# Altium PCB draft.PcbDoc
Units mm, origin at the board's own origin, x right, y up, seen from the top; angles counter-clockwise.
Board outline 180 x 121.7 mm, 2 copper layers (Top Layer, Bottom Layer); 15 components, 20 nets, 76 pads, 0 vias.
Unrouted connection lines stored in the file: 37.
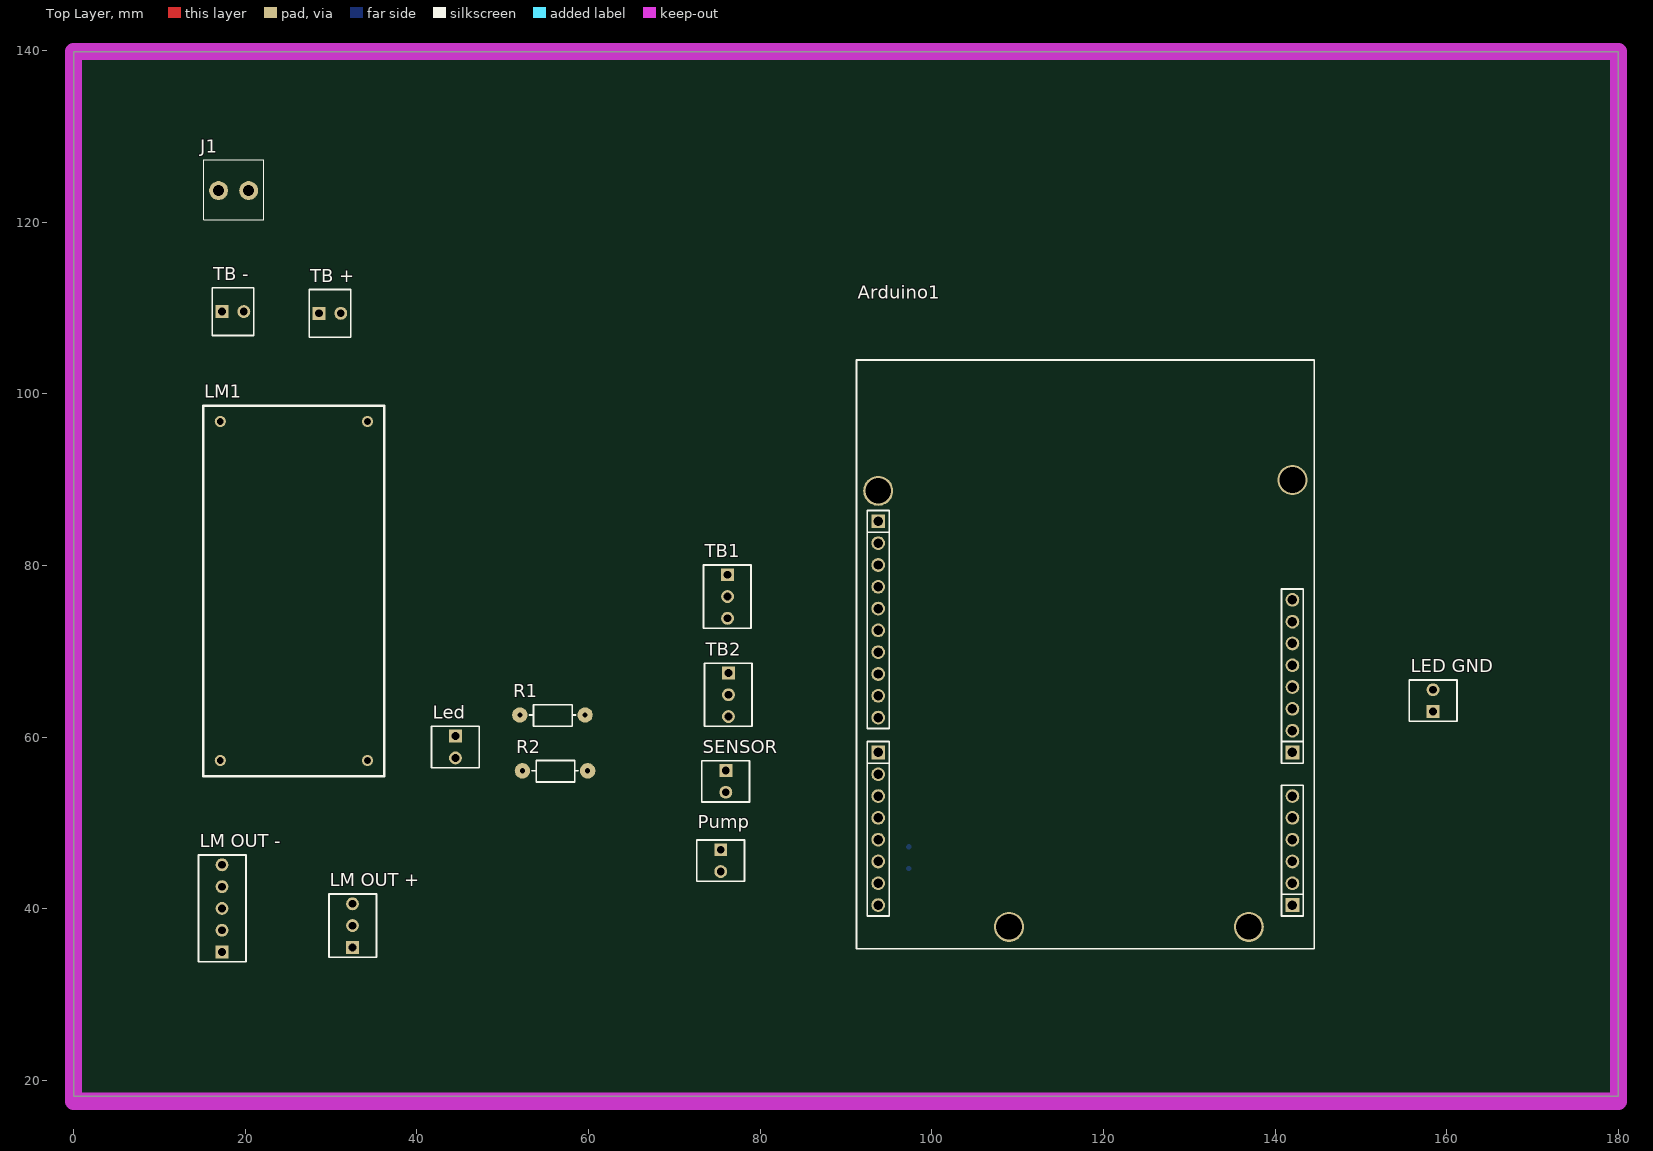
[diagram p0: Top Layer view]
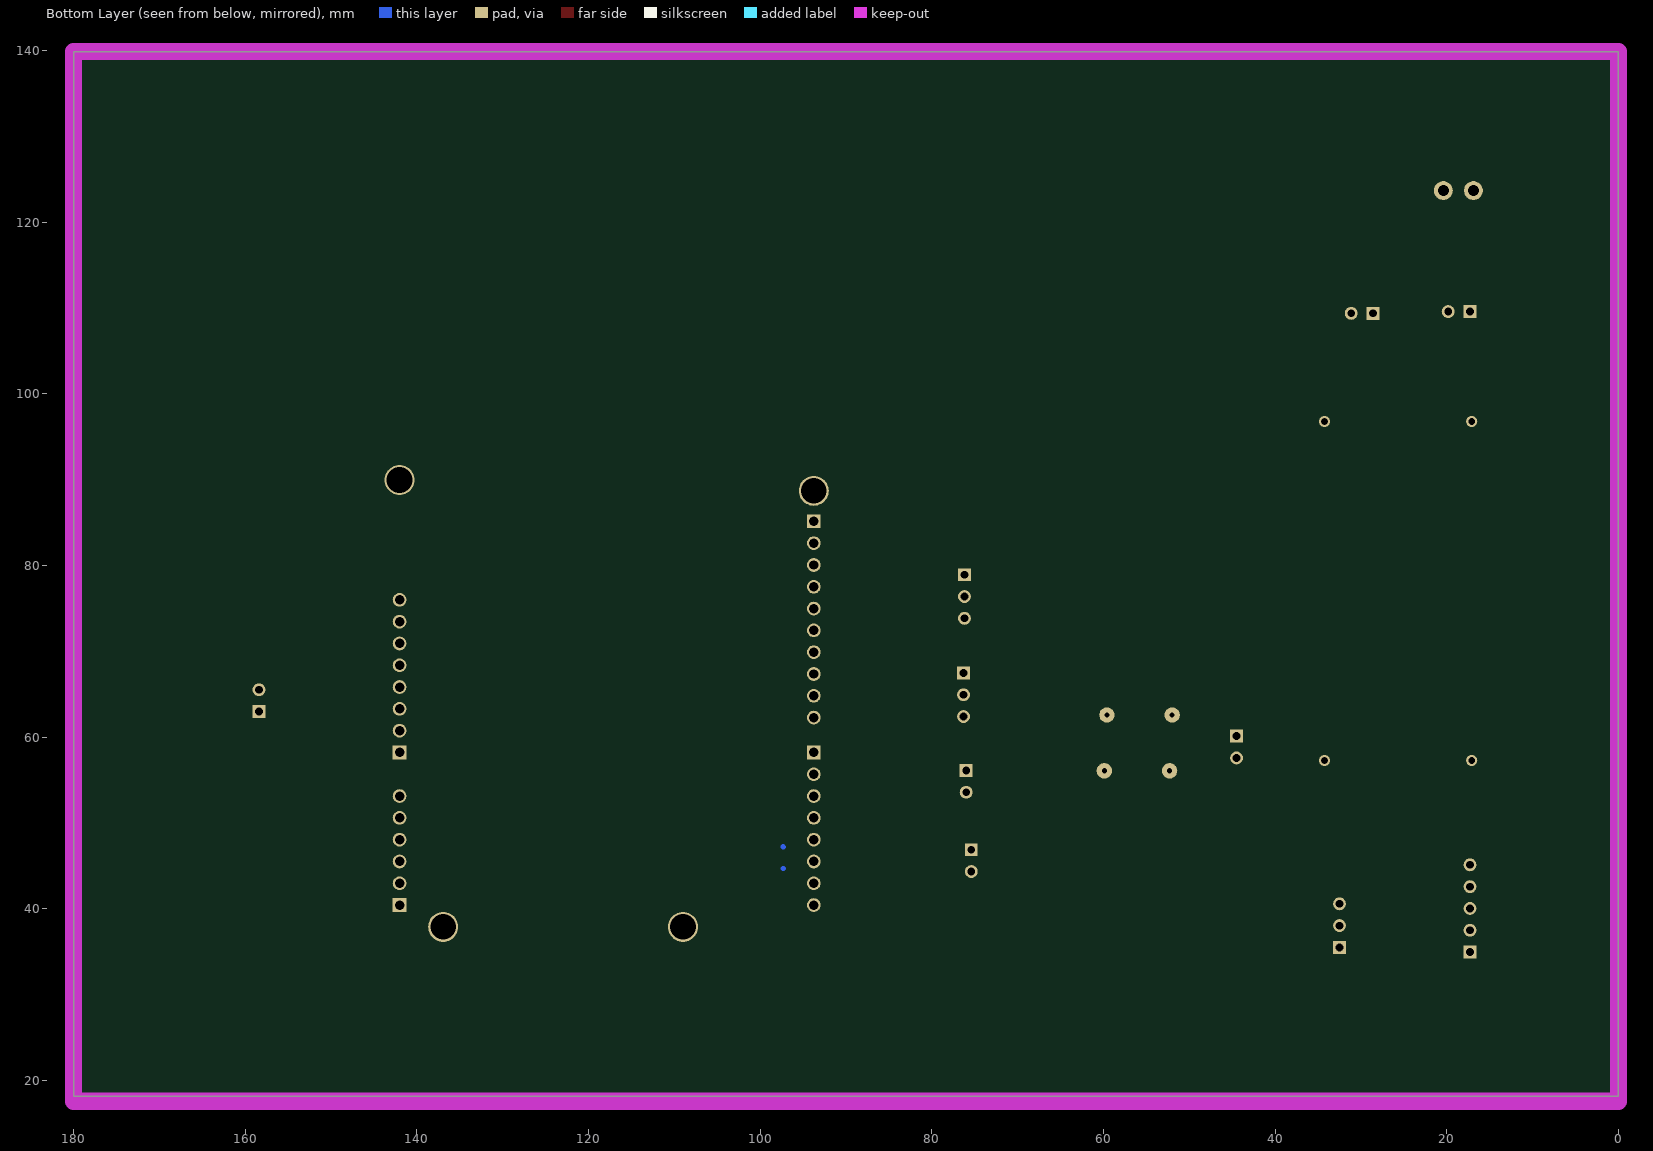
[diagram p1: Bottom Layer view, seen from below]

## Layer stack, top to bottom
Top Solder: solder mask 0.0102, Solder Resist, Dk 3.5
Top Layer: signal copper 0.0356
Dielectric 1: dielectric 0.32, FR-4, Dk 4.8
Bottom Layer: signal copper 0.0356
Bottom Solder: solder mask 0.0102, Solder Resist, Dk 3.5

## Board outline
0,18.2 180,18.2 180,139.9 0,139.9

## Design rules (kind name [scope] priority, off if disabled: settings)
Clearance [All] p1: gap=0.254 ignorepadtopadclearanceinfootprint=FALSE except(0: Arc-Hole Track-Hole SMDPad-Hole THPad-Hole Via-Hole Fill-Hole Poly-Hole Region-Hole Text-Hole)
PolygonConnect [All] p1: connectstyle=Relief reliefconductorwidth=0.254 reliefentries=4 polygonreliefangle="90 Angle" airgapwidth=0.254
RoomDefinition draft [InComponentClass('draft')] p1: confinementstyle=ConfineIn formatcopy=TRUE lockcomponents=FALSE outline 158.8,118 204.2,118 204.2,131 158.8,131
RoutingVias [All] p1: holewidth=0.711 width=1.27 viastyle="Through Hole" minholewidth=0.711 minwidth=1.27 maxholewidth=0.711 maxwidth=1.27
SolderMaskExpansion [All] p1: expansion=0.102 istentingtop=FALSE
Width [All] p1: maxlimit=1.5 minlimit=0.6 preferedwidth=0.8
30 further rules are at their usual default settings.

## Components (designator, comment, footprint, x,y, rotation, side; value= is the part's Value field where it differs from the comment)
Arduino1 "Arduino Uno R3" "Arduino UNO R3" 118.9,70.3 r90 top value="Cau 1A"
J1 "KF2" KF2-3.5 18.65,123.7 r180 top
Led "Header2" HDR2 44.5,60.14 r270 top
"LED GND" "Header2" HDR2 158.4,63 r90 top
LM1 "LM2596" LM2596_Module 25.672,77.051 r270 top
"LM OUT +" "Header3" HDR3 32.5,35.52 r90 top
"LM OUT -" "Header5" HDR5 17.3,34.98 r90 top
Pump "Header2" HDR2 75.4,46.9 r270 top (schematic designator PUMP)
R1 "200" "RESISTOR 1/4W" 59.6,62.6 r180 top
R2 "200" "RESISTOR 1/4W" 59.9,56.1 r180 top
SENSOR "Header2" HDR2 76,56.14 r270 top
TB1 "Header3" HDR3 76.2,78.94 r270 top
TB2 "Header3" HDR3 76.3,67.5 r270 top
"TB +" "Header2" HDR2 28.6,109.4 r0 top
"TB -" "Header2" HDR2 17.3,109.6 r0 top

## Footprints (in the part's own frame and the unit in brackets; to place one, negate y for a bottom-side part, rotate by r counter-clockwise, add the part's x,y. Pads: shape width x height; smd on the part's side, far side on the other; paste and mask are expansions set on the pad)
"Arduino UNO R3" [mm]
  round 1.6 hole 1.1: 0-RX(-29.845,25.146) 1-TX(-27.305,25.146) 2(-24.765,25.146) 3V3(-1.905,-23.114) 4(-19.685,25.146) 5V(-4.445,-23.114) 8(-8.001,25.146) 12(2.159,25.146) 13(4.699,25.146) A0(-17.145,-23.114) A1(-19.685,-23.114) A2(-22.225,-23.114) A3(-24.765,-23.114) A4(-27.305,-23.114) AREF(9.779,25.146) GND(-9.525,-23.114) GND(-6.985,-23.114) GND(7.239,25.146) IOREF(3.175,-23.114) NC(5.715,-23.114) RESET(0.635,-23.114) SDA(12.319,25.146) ~3(-22.225,25.146) ~5(-17.145,25.146) ~6(-14.605,25.146) ~9(-5.461,25.146) ~10(-2.921,25.146) ~11(-0.381,25.146)
  rect 1.6x1.6 hole 1.1: 7(-12.065,25.146) A5(-29.845,-23.114) SCL(14.859,25.146) Vin(-12.065,-23.114)
  round 3.5 hole 3: GND(-32.385,9.906) GND(18.415,25.146) GND(19.685,-23.114) ""(-32.385,-18.034)
  oval 0x2 all layers, no hole: ""(-32.385,-18.034)
  round 0 all layers, no hole: ""(-32.385,9.906) ""(18.415,25.146) ""(19.685,-23.114)
  silkscreen extent -34.92,-25.65 33.66,27.69, body extent -34.93,-25.65 40,27.69, height 15.28
HDR2 [mm] "Connector; Header; 2 Position"
  rect 1.5x1.5 hole 0.9: 1(0,0)
  round 1.5 hole 0.9: 2(2.54,0)
  silkscreen extent -1.14,-2.79 3.68,2.77, body extent -1.27,-2.92 3.81,2.88, height 11.72
HDR3 [mm] "Connector; Header; 3 Position"
  rect 1.5x1.5 hole 0.9: 1(0,0)
  round 1.5 hole 0.9: 2(2.54,0) 3(5.08,0)
  silkscreen extent -1.14,-2.79 6.22,2.74, body extent -1.27,-2.92 6.35,2.88, height 11.72
HDR5 [mm] "Connector; Header; 5 Position"
  rect 1.5x1.5 hole 0.9: 1(0,0)
  round 1.5 hole 0.9: 2(2.54,0) 3(5.08,0) 4(7.62,0) 5(10.16,0)
  silkscreen extent -1.14,-2.79 11.3,2.74, body extent -1.27,-2.92 11.43,2.88, height 11.72
KF2-3.5 [mm] "3,50mm - modular - blue - Horizontal wire entry - Pressure clamp - 8,4mm height - 02p"
  round 2.2 hole 1.3: 1(-1.75,0) 2(1.75,0)
  silkscreen extent -3.5,-3.6 3.5,3.4, body extent -3.95,-3.6 4.05,3.4, height 8.41
LM2596_Module [mm]
  round 1.3 hole 0.8 mask+0.1: 1(-19.749,8.573) 2(-19.748,-8.572) 3(19.749,-8.572) 4(19.748,8.573)
  silkscreen extent -21.59,-10.54 21.59,10.54, body extent -21.75,-10.5 21.75,10.5, height 13.21
"RESISTOR 1/4W" [mm] "P=0.25W, PITCH = 7.6 mm"
  round 1.8 hole 0.6: 1(0,0) 2(7.6,0)
  silkscreen extent 1.1,-1.2 6.5,1.3, body extent -0.31,-1.2 7.91,1.2, height 2.7

## Part data
Arduino1: "Arduino UNO R3"
J1: Manufacturer="Würth Elektronik eiSos GmbH", partNo=691103110002, ComponentLink1 Description=Manufacturer, ComponentLink1URL=http://www.we-online.com, ComponentLink2 Description=Datasheet, ComponentLink2URL=http://katalog.we-online.de/em/datasheet/6911031100xx.pdf, Created by="Karrer Zheng", Created Date="29 October 2013", NoPins=2
Led "LED GND" Pump SENSOR "TB +" "TB -": "Header IDC, 2 x 1 Pin Vertical 2.54mm Pitch (Non-Boxed, Male)", Manufacturer="W¨¹rth Elektronik eiSos GmbH", partNo=613002143121, ComponentLink1 Description=Manufacturer, ComponentLink1URL=http://www.we-online.com, ComponentLink2 Description=Datasheet, ComponentLink2URL=http://katalog.we-online.de/em/datasheet/6130xx143121.pdf, Created by="Karrer Zheng", Created Date="29 March 2013", NoPins=02
LM1: library part LM2596_Module
"LM OUT +" TB1 TB2: "Header IDC, 3 x 1 Pin Vertical 2.54mm Pitch (Non-Boxed, Male)", Manufacturer="W¨¹rth Elektronik eiSos GmbH", partNo=613002143121, ComponentLink1 Description=Manufacturer, ComponentLink1URL=http://www.we-online.com, ComponentLink2 Description=Datasheet, ComponentLink2URL=http://katalog.we-online.de/em/datasheet/6130xx143121.pdf, Created by="Karrer Zheng", Created Date="29 March 2013", NoPins=02
"LM OUT -": "Header IDC, 5 x 1 Pin Vertical 2.54mm Pitch (Non-Boxed, Male)", Manufacturer="W¨¹rth Elektronik eiSos GmbH", partNo=613002143121, ComponentLink1 Description=Manufacturer, ComponentLink1URL=http://www.we-online.com, ComponentLink2 Description=Datasheet, ComponentLink2URL=http://katalog.we-online.de/em/datasheet/6130xx143121.pdf, Created by="Karrer Zheng", Created Date="29 March 2013", NoPins=02
R1 R2: library part RESISTOR, "RESISTOR", Walt=1/4W

## Nets (pads, with @x,y where several pads share a name; then routed paths per layer and width w, separated by ;. In a path a pad name is that pad's centre, name@x,y a point inside that pad or via, vN(x,y) a via of type N, cw(c..) or ccw(c..) an arc to the next point about the centre after c; other vN are vias at no path point)
12V: "TB +.1" "TB +.2" J1.1 LM1.1
"ARD GND": "LED GND.1" "LED GND.2" Arduino1.GND
"ARD Power": Arduino1.5V
DIR1: Arduino1.12 TB1.2 | length 0.1
  Bottom Layer w0.6: 97.316,47.238 97.354,47.275
DIR2: Arduino1.~9 TB2.2
EN1: Arduino1.13 TB1.1
EN2: Arduino1.~10 TB2.1
GND: "TB -.1" "TB -.2" J1.2 LM1.2
LED_GREEN: Led.1 R1.2
LED_RED: Led.2 R2.2
"LM OUT+": "LM OUT +.1" "LM OUT +.2" "LM OUT +.3" LM1.4
"LM OUT-": "LM OUT -.1" "LM OUT -.2" "LM OUT -.3" "LM OUT -.4" "LM OUT -.5" LM1.3
NetArduino1_7: Arduino1.7 R1.1
NetArduino1_~6: Arduino1.~6 R2.1
PUL1: Arduino1.~11 TB1.3 | length 0.1
  Bottom Layer w0.6: 97.316,44.698 97.354,44.735
PUL2: Arduino1.8 TB2.3
PUMP1: Arduino1.~3 Pump.1
PUMP2: Arduino1.2 Pump.2 | length 0.1
  Bottom Layer w0.6: Arduino1.2@93.704,45.585 Arduino1.2
SENSOR1: Arduino1.~5 SENSOR.1
SENSOR2: Arduino1.4 SENSOR.2
pads on no net: Arduino1. Arduino1.0-RX Arduino1.1-TX Arduino1.3V3 Arduino1.A0 Arduino1.A1 Arduino1.A2 Arduino1.A3 Arduino1.A4 Arduino1.A5 Arduino1.AREF Arduino1.IOREF Arduino1.NC Arduino1.RESET Arduino1.SCL Arduino1.SDA Arduino1.Vin

## Keep-outs
Keep-Out Layer:
  lines w2: 0,17.6 0,139.9 180,139.9 180,17.6 0,17.6